# EAGLE board working (EAGLE 9.6.2), part 9 of 28 (continued)
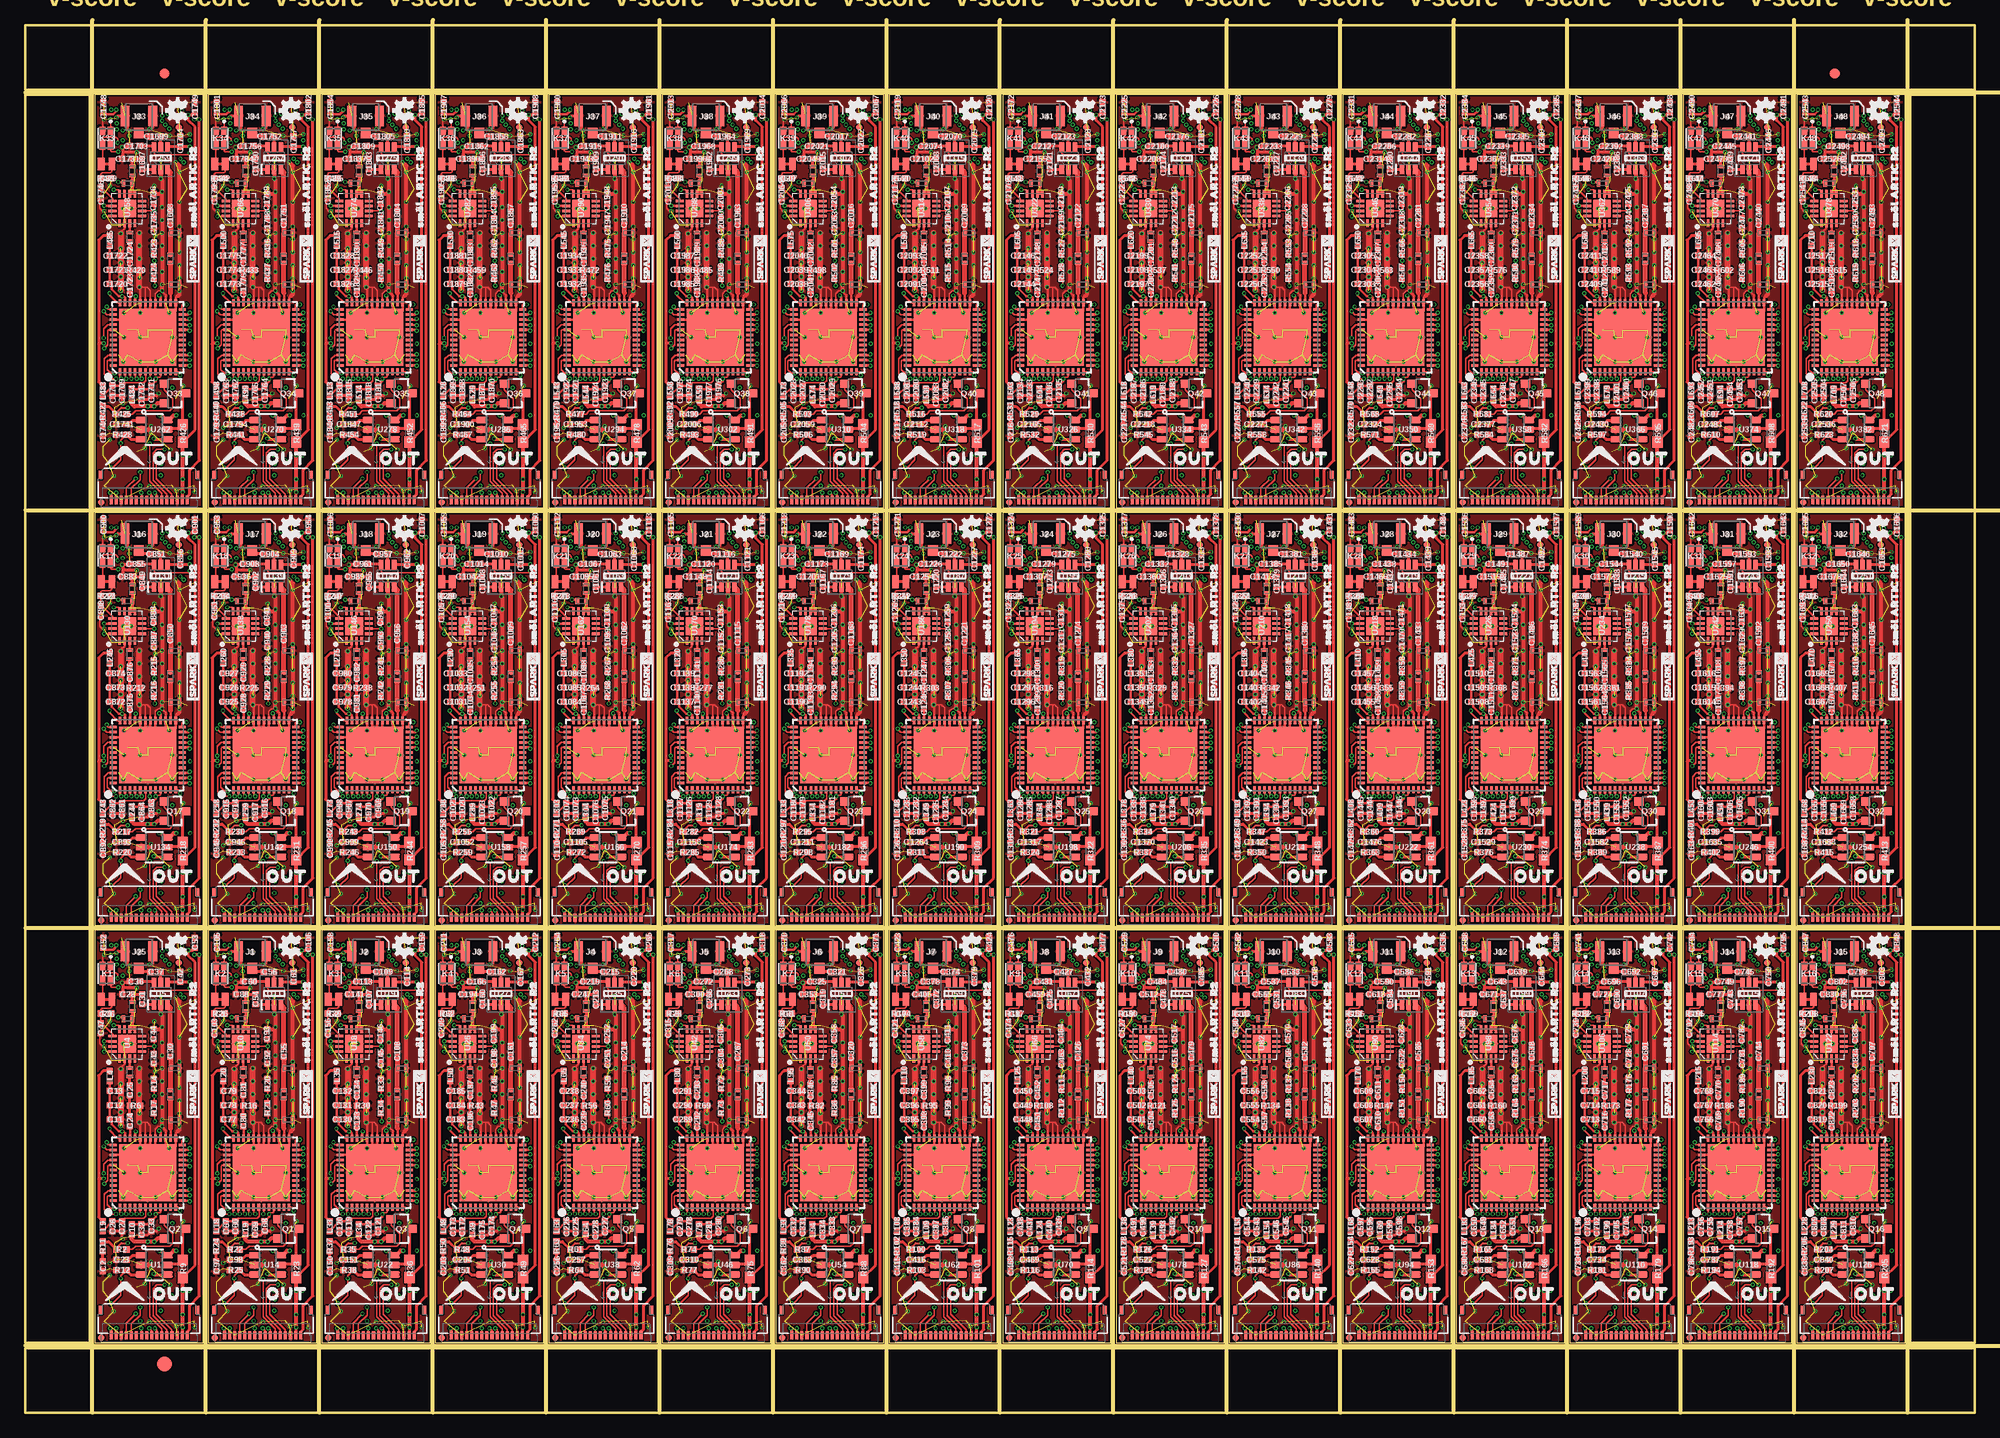
[diagram p0: board, top side]
## Nets (continued)
PA_PD8: R112.1 U65.7
PA_PD9: R125.1 U73.7
PA_PD10: R138.1 U81.7
PA_PD11: R151.1 U89.7
PA_PD12: R164.1 U97.7
PA_PD13: R177.1 U105.7
PA_PD14: R190.1 U113.7
PA_PD15: R203.1 U121.7
PA_PD16: R216.1 U129.7
PA_PD17: R229.1 U137.7
PA_PD18: R242.1 U145.7
PA_PD19: R255.1 U153.7
PA_PD20: R268.1 U161.7
PA_PD21: R281.1 U169.7
PA_PD22: R294.1 U177.7
PA_PD23: R307.1 U185.7
PA_PD24: R320.1 U193.7
PA_PD25: R333.1 U201.7
PA_PD26: R346.1 U209.7
PA_PD27: R359.1 U217.7
PA_PD28: R372.1 U225.7
PA_PD29: R385.1 U233.7
PA_PD30: R398.1 U241.7
PA_PD31: R411.1 U249.7
PA_PD32: R424.1 U257.7
PA_PD33: R437.1 U265.7
PA_PD34: R450.1 U273.7
PA_PD35: R463.1 U281.7
PA_PD36: R476.1 U289.7
PA_PD37: R489.1 U297.7
PA_PD38: R502.1 U305.7
PA_PD39: R515.1 U313.7
PA_PD40: R528.1 U321.7
PA_PD41: R541.1 U329.7
PA_PD42: R554.1 U337.7
PA_PD43: R567.1 U345.7
PA_PD44: R580.1 U353.7
PA_PD45: R593.1 U361.7
PA_PD46: R606.1 U369.7
PA_PD47: R619.1 U377.7
PD: C43.2 C44.1 R14.2 R17.2 U4.6
PD1: C92.2 C93.1 R20.2 R21.2 U10.6
PD2: C145.2 C146.1 R33.2 R34.2 U18.6
PD3: C198.2 C199.1 R46.2 R47.2 U26.6
PD4: C251.2 C252.1 R59.2 R60.2 U34.6
PD5: C304.2 C305.1 R72.2 R73.2 U42.6
PD6: C357.2 C358.1 R85.2 R86.2 U50.6
PD7: C410.2 C411.1 R98.2 R99.2 U58.6
PD8: C463.2 C464.1 R111.2 R112.2 U66.6
PD9: C516.2 C517.1 R124.2 R125.2 U74.6
PD10: C569.2 C570.1 R137.2 R138.2 U82.6
PD11: C622.2 C623.1 R150.2 R151.2 U90.6
PD12: C675.2 C676.1 R163.2 R164.2 U98.6
PD13: C728.2 C729.1 R176.2 R177.2 U106.6
PD14: C781.2 C782.1 R189.2 R190.2 U114.6
PD15: C834.2 C835.1 R202.2 R203.2 U122.6
PD16: C887.2 C888.1 R215.2 R216.2 U130.6
PD17: C940.2 C941.1 R228.2 R229.2 U138.6
PD18: C993.2 C994.1 R241.2 R242.2 U146.6
PD19: C1046.2 C1047.1 R254.2 R255.2 U154.6
PD20: C1099.2 C1100.1 R267.2 R268.2 U162.6
PD21: C1152.2 C1153.1 R280.2 R281.2 U170.6
PD22: C1205.2 C1206.1 R293.2 R294.2 U178.6
PD23: C1258.2 C1259.1 R306.2 R307.2 U186.6
PD24: C1311.2 C1312.1 R319.2 R320.2 U194.6
PD25: C1364.2 C1365.1 R332.2 R333.2 U202.6
PD26: C1417.2 C1418.1 R345.2 R346.2 U210.6
PD27: C1470.2 C1471.1 R358.2 R359.2 U218.6
PD28: C1523.2 C1524.1 R371.2 R372.2 U226.6
PD29: C1576.2 C1577.1 R384.2 R385.2 U234.6
PD30: C1629.2 C1630.1 R397.2 R398.2 U242.6
PD31: C1682.2 C1683.1 R410.2 R411.2 U250.6
PD32: C1735.2 C1736.1 R423.2 R424.2 U258.6
PD33: C1788.2 C1789.1 R436.2 R437.2 U266.6
PD34: C1841.2 C1842.1 R449.2 R450.2 U274.6
PD35: C1894.2 C1895.1 R462.2 R463.2 U282.6
PD36: C1947.2 C1948.1 R475.2 R476.2 U290.6
PD37: C2000.2 C2001.1 R488.2 R489.2 U298.6
PD38: C2053.2 C2054.1 R501.2 R502.2 U306.6
PD39: C2106.2 C2107.1 R514.2 R515.2 U314.6
PD40: C2159.2 C2160.1 R527.2 R528.2 U322.6
PD41: C2212.2 C2213.1 R540.2 R541.2 U330.6
PD42: C2265.2 C2266.1 R553.2 R554.2 U338.6
PD43: C2318.2 C2319.1 R566.2 R567.2 U346.6
PD44: C2371.2 C2372.1 R579.2 R580.2 U354.6
PD45: C2424.2 C2425.1 R592.2 R593.2 U362.6
PD46: C2477.2 C2478.1 R605.2 R606.2 U370.6
PD47: C2530.2 C2531.1 R618.2 R619.2 U378.6
PROC_PWR_EN: IN.1 OUT.1
PROC_PWR_EN1: IN1.1 OUT1.1
PROC_PWR_EN2: IN2.1 OUT2.1
PROC_PWR_EN3: IN3.1 OUT3.1
PROC_PWR_EN4: IN4.1 OUT4.1
PROC_PWR_EN5: IN5.1 OUT5.1
PROC_PWR_EN6: IN6.1 OUT6.1
PROC_PWR_EN7: IN7.1 OUT7.1
PROC_PWR_EN8: IN8.1 OUT8.1
PROC_PWR_EN9: IN9.1 OUT9.1
PROC_PWR_EN10: IN10.1 OUT10.1
PROC_PWR_EN11: IN11.1 OUT11.1
PROC_PWR_EN12: IN12.1 OUT12.1
PROC_PWR_EN13: IN13.1 OUT13.1
PROC_PWR_EN14: IN14.1 OUT14.1
PROC_PWR_EN15: IN15.1 OUT15.1
PROC_PWR_EN16: IN16.1 OUT16.1
PROC_PWR_EN17: IN17.1 OUT17.1
PROC_PWR_EN18: IN18.1 OUT18.1
PROC_PWR_EN19: IN19.1 OUT19.1
PROC_PWR_EN20: IN20.1 OUT20.1
PROC_PWR_EN21: IN21.1 OUT21.1
PROC_PWR_EN22: IN22.1 OUT22.1
PROC_PWR_EN23: IN23.1 OUT23.1
PROC_PWR_EN24: IN24.1 OUT24.1
PROC_PWR_EN25: IN25.1 OUT25.1
PROC_PWR_EN26: IN26.1 OUT26.1
PROC_PWR_EN27: IN27.1 OUT27.1
PROC_PWR_EN28: IN28.1 OUT28.1
PROC_PWR_EN29: IN29.1 OUT29.1
PROC_PWR_EN30: IN30.1 OUT30.1
PROC_PWR_EN31: IN31.1 OUT31.1
PROC_PWR_EN32: IN32.1 OUT32.1
PROC_PWR_EN33: IN33.1 OUT33.1
PROC_PWR_EN34: IN34.1 OUT34.1
PROC_PWR_EN35: IN35.1 OUT35.1
PROC_PWR_EN36: IN36.1 OUT36.1
PROC_PWR_EN37: IN37.1 OUT37.1
PROC_PWR_EN38: IN38.1 OUT38.1
PROC_PWR_EN39: IN39.1 OUT39.1
PROC_PWR_EN40: IN40.1 OUT40.1
PROC_PWR_EN41: IN41.1 OUT41.1
PROC_PWR_EN42: IN42.1 OUT42.1
PROC_PWR_EN43: IN43.1 OUT43.1
PROC_PWR_EN44: IN44.1 OUT44.1
PROC_PWR_EN45: IN45.1 OUT45.1
PROC_PWR_EN46: IN46.1 OUT46.1
PROC_PWR_EN47: IN47.1 OUT47.1
RESETB: R8.2 U3.1 U8.1
RESETB1: R10.2 U9.1 U16.1
RESETB2: R27.2 U17.1 U24.1
RESETB3: R40.2 U25.1 U32.1
RESETB4: R53.2 U33.1 U40.1
RESETB5: R66.2 U41.1 U48.1
RESETB6: R79.2 U49.1 U56.1
RESETB7: R92.2 U57.1 U64.1
RESETB8: R105.2 U65.1 U72.1
RESETB9: R118.2 U73.1 U80.1
RESETB10: R131.2 U81.1 U88.1
RESETB11: R144.2 U89.1 U96.1
RESETB12: R157.2 U97.1 U104.1
RESETB13: R170.2 U105.1 U112.1
RESETB14: R183.2 U113.1 U120.1
RESETB15: R196.2 U121.1 U128.1
RESETB16: R209.2 U129.1 U136.1
RESETB17: R222.2 U137.1 U144.1
RESETB18: R235.2 U145.1 U152.1
RESETB19: R248.2 U153.1 U160.1
RESETB20: R261.2 U161.1 U168.1
RESETB21: R274.2 U169.1 U176.1
RESETB22: R287.2 U177.1 U184.1
RESETB23: R300.2 U185.1 U192.1
RESETB24: R313.2 U193.1 U200.1
RESETB25: R326.2 U201.1 U208.1
RESETB26: R339.2 U209.1 U216.1
RESETB27: R352.2 U217.1 U224.1
RESETB28: R365.2 U225.1 U232.1
RESETB29: R378.2 U233.1 U240.1
RESETB30: R391.2 U241.1 U248.1
RESETB31: R404.2 U249.1 U256.1
RESETB32: R417.2 U257.1 U264.1
RESETB33: R430.2 U265.1 U272.1
RESETB34: R443.2 U273.1 U280.1
RESETB35: R456.2 U281.1 U288.1
RESETB36: R469.2 U289.1 U296.1
RESETB37: R482.2 U297.1 U304.1
RESETB38: R495.2 U305.1 U312.1
RESETB39: R508.2 U313.1 U320.1
RESETB40: R521.2 U321.1 U328.1
RESETB41: R534.2 U329.1 U336.1
RESETB42: R547.2 U337.1 U344.1
RESETB43: R560.2 U345.1 U352.1
RESETB44: R573.2 U353.1 U360.1
RESETB45: R586.2 U361.1 U368.1
RESETB46: R599.2 U369.1 U376.1
RESETB47: R612.2 U377.1 U384.1
RF_RX: C29.P$2 C30.2 L12.P$2
RF_RX1: C55.2 C87.P$2 L28.P$2
RF_RX2: C108.2 C140.P$2 L43.P$2
RF_RX3: C161.2 C193.P$2 L58.P$2
RF_RX4: C214.2 C246.P$2 L73.P$2
RF_RX5: C267.2 C299.P$2 L88.P$2
RF_RX6: C320.2 C352.P$2 L103.P$2
RF_RX7: C373.2 C405.P$2 L118.P$2
RF_RX8: C426.2 C458.P$2 L133.P$2
RF_RX9: C479.2 C511.P$2 L148.P$2
RF_RX10: C532.2 C564.P$2 L163.P$2
RF_RX11: C585.2 C617.P$2 L178.P$2
RF_RX12: C638.2 C670.P$2 L193.P$2
RF_RX13: C691.2 C723.P$2 L208.P$2
RF_RX14: C744.2 C776.P$2 L223.P$2
RF_RX15: C797.2 C829.P$2 L238.P$2
RF_RX16: C850.2 C882.P$2 L253.P$2
RF_RX17: C903.2 C935.P$2 L268.P$2
RF_RX18: C956.2 C988.P$2 L283.P$2
RF_RX19: C1009.2 C1041.P$2 L298.P$2
RF_RX20: C1062.2 C1094.P$2 L313.P$2
RF_RX21: C1115.2 C1147.P$2 L328.P$2
RF_RX22: C1168.2 C1200.P$2 L343.P$2
RF_RX23: C1221.2 C1253.P$2 L358.P$2
RF_RX24: C1274.2 C1306.P$2 L373.P$2
RF_RX25: C1327.2 C1359.P$2 L388.P$2
RF_RX26: C1380.2 C1412.P$2 L403.P$2
RF_RX27: C1433.2 C1465.P$2 L418.P$2
RF_RX28: C1486.2 C1518.P$2 L433.P$2
RF_RX29: C1539.2 C1571.P$2 L448.P$2
RF_RX30: C1592.2 C1624.P$2 L463.P$2
RF_RX31: C1645.2 C1677.P$2 L478.P$2
RF_RX32: C1698.2 C1730.P$2 L493.P$2
RF_RX33: C1751.2 C1783.P$2 L508.P$2
RF_RX34: C1804.2 C1836.P$2 L523.P$2
RF_RX35: C1857.2 C1889.P$2 L538.P$2
RF_RX36: C1910.2 C1942.P$2 L553.P$2
RF_RX37: C1963.2 C1995.P$2 L568.P$2
RF_RX38: C2016.2 C2048.P$2 L583.P$2
RF_RX39: C2069.2 C2101.P$2 L598.P$2
RF_RX40: C2122.2 C2154.P$2 L613.P$2
RF_RX41: C2175.2 C2207.P$2 L628.P$2
RF_RX42: C2228.2 C2260.P$2 L643.P$2
RF_RX43: C2281.2 C2313.P$2 L658.P$2
RF_RX44: C2334.2 C2366.P$2 L673.P$2
RF_RX45: C2387.2 C2419.P$2 L688.P$2
RF_RX46: C2440.2 C2472.P$2 L703.P$2
RF_RX47: C2493.2 C2525.P$2 L718.P$2
RF_TX: C28.2 C31.2 L8.P$2
RF_TX1: C54.2 C88.2 L26.P$2
RF_TX2: C107.2 C141.2 L41.P$2
RF_TX3: C160.2 C194.2 L56.P$2
RF_TX4: C213.2 C247.2 L71.P$2
RF_TX5: C266.2 C300.2 L86.P$2
RF_TX6: C319.2 C353.2 L101.P$2
RF_TX7: C372.2 C406.2 L116.P$2
RF_TX8: C425.2 C459.2 L131.P$2
RF_TX9: C478.2 C512.2 L146.P$2
RF_TX10: C531.2 C565.2 L161.P$2
RF_TX11: C584.2 C618.2 L176.P$2
RF_TX12: C637.2 C671.2 L191.P$2
RF_TX13: C690.2 C724.2 L206.P$2
RF_TX14: C743.2 C777.2 L221.P$2
RF_TX15: C796.2 C830.2 L236.P$2
RF_TX16: C849.2 C883.2 L251.P$2
RF_TX17: C902.2 C936.2 L266.P$2
RF_TX18: C955.2 C989.2 L281.P$2
RF_TX19: C1008.2 C1042.2 L296.P$2
RF_TX20: C1061.2 C1095.2 L311.P$2
RF_TX21: C1114.2 C1148.2 L326.P$2
RF_TX22: C1167.2 C1201.2 L341.P$2
RF_TX23: C1220.2 C1254.2 L356.P$2
RF_TX24: C1273.2 C1307.2 L371.P$2
RF_TX25: C1326.2 C1360.2 L386.P$2
RF_TX26: C1379.2 C1413.2 L401.P$2
RF_TX27: C1432.2 C1466.2 L416.P$2
RF_TX28: C1485.2 C1519.2 L431.P$2
RF_TX29: C1538.2 C1572.2 L446.P$2
RF_TX30: C1591.2 C1625.2 L461.P$2
RF_TX31: C1644.2 C1678.2 L476.P$2
RF_TX32: C1697.2 C1731.2 L491.P$2
RF_TX33: C1750.2 C1784.2 L506.P$2
RF_TX34: C1803.2 C1837.2 L521.P$2
RF_TX35: C1856.2 C1890.2 L536.P$2
RF_TX36: C1909.2 C1943.2 L551.P$2
RF_TX37: C1962.2 C1996.2 L566.P$2
RF_TX38: C2015.2 C2049.2 L581.P$2
RF_TX39: C2068.2 C2102.2 L596.P$2
RF_TX40: C2121.2 C2155.2 L611.P$2
RF_TX41: C2174.2 C2208.2 L626.P$2
RF_TX42: C2227.2 C2261.2 L641.P$2
RF_TX43: C2280.2 C2314.2 L656.P$2
RF_TX44: C2333.2 C2367.2 L671.P$2
RF_TX45: C2386.2 C2420.2 L686.P$2
RF_TX46: C2439.2 C2473.2 L701.P$2
RF_TX47: C2492.2 C2526.2 L716.P$2
RFG1: C82.2 K2.4 R18.1 U10.12
RFG2: C103.2 G1.1 R26.1 U10.13
RFG3: C135.2 K3.4 R31.1 U18.12
RFG4: C156.2 G2.1 R39.1 U18.13
RFG5: C188.2 K4.4 R44.1 U26.12
RFG6: C209.2 G3.1 R52.1 U26.13
RFG7: C241.2 K5.4 R57.1 U34.12
RFG8: C22.2 K1.4 R7.1 U4.12
RFG9: C262.2 G4.1 R65.1 U34.13
RFG10: C294.2 K6.4 R70.1 U42.12
RFG11: C315.2 G5.1 R78.1 U42.13
RFG12: C347.2 K7.4 R83.1 U50.12
RFG13: C368.2 G6.1 R91.1 U50.13
RFG14: C400.2 K8.4 R96.1 U58.12
RFG15: C421.2 G7.1 R104.1 U58.13
RFG16: C47.2 G16.1 R1.1 U4.13
RFG17: C453.2 K9.4 R109.1 U66.12
RFG18: C474.2 G8.1 R117.1 U66.13
RFG19: C506.2 K10.4 R122.1 U74.12
RFG20: C527.2 G9.1 R130.1 U74.13
RFG21: C559.2 K11.4 R135.1 U82.12
RFG22: C580.2 G10.1 R143.1 U82.13
RFG23: C612.2 K12.4 R148.1 U90.12
RFG24: C633.2 G11.1 R156.1 U90.13
RFG25: C665.2 K13.4 R161.1 U98.12
RFG26: C686.2 G12.1 R169.1 U98.13
RFG27: C718.2 K14.4 R174.1 U106.12
RFG28: C739.2 G13.1 R182.1 U106.13
RFG29: C771.2 K15.4 R187.1 U114.12
RFG30: C792.2 G14.1 R195.1 U114.13
RFG31: C824.2 K16.4 R200.1 U122.12
RFG32: C845.2 G15.1 R208.1 U122.13
RFG33: C877.2 K17.4 R213.1 U130.12
RFG34: C898.2 G17.1 R221.1 U130.13
RFG35: C930.2 K18.4 R226.1 U138.12
RFG36: C951.2 G18.1 R234.1 U138.13
RFG37: C983.2 K19.4 R239.1 U146.12
RFG38: C1004.2 G19.1 R247.1 U146.13
RFG39: C1036.2 K20.4 R252.1 U154.12
RFG40: C1057.2 G20.1 R260.1 U154.13
RFG41: C1089.2 K21.4 R265.1 U162.12
RFG42: C1110.2 G21.1 R273.1 U162.13
RFG43: C1142.2 K22.4 R278.1 U170.12
RFG44: C1163.2 G22.1 R286.1 U170.13
RFG45: C1195.2 K23.4 R291.1 U178.12
RFG46: C1216.2 G23.1 R299.1 U178.13
RFG47: C1248.2 K24.4 R304.1 U186.12
RFG48: C1269.2 G24.1 R312.1 U186.13
RFG49: C1301.2 K25.4 R317.1 U194.12
RFG50: C1322.2 G25.1 R325.1 U194.13
RFG51: C1354.2 K26.4 R330.1 U202.12
RFG52: C1375.2 G26.1 R338.1 U202.13
RFG53: C1407.2 K27.4 R343.1 U210.12
RFG54: C1428.2 G27.1 R351.1 U210.13
RFG55: C1460.2 K28.4 R356.1 U218.12
RFG56: C1481.2 G28.1 R364.1 U218.13
RFG57: C1513.2 K29.4 R369.1 U226.12
RFG58: C1534.2 G29.1 R377.1 U226.13
RFG59: C1566.2 K30.4 R382.1 U234.12
RFG60: C1587.2 G30.1 R390.1 U234.13
RFG61: C1619.2 K31.4 R395.1 U242.12
RFG62: C1640.2 G31.1 R403.1 U242.13
RFG63: C1672.2 K32.4 R408.1 U250.12
RFG64: C1693.2 G32.1 R416.1 U250.13
RFG65: C1725.2 K33.4 R421.1 U258.12
RFG66: C1746.2 G33.1 R429.1 U258.13
RFG67: C1778.2 K34.4 R434.1 U266.12
RFG68: C1799.2 G34.1 R442.1 U266.13
RFG69: C1831.2 K35.4 R447.1 U274.12
RFG70: C1852.2 G35.1 R455.1 U274.13
RFG71: C1884.2 K36.4 R460.1 U282.12
RFG72: C1905.2 G36.1 R468.1 U282.13
RFG73: C1937.2 K37.4 R473.1 U290.12
RFG74: C1958.2 G37.1 R481.1 U290.13
RFG75: C1990.2 K38.4 R486.1 U298.12
RFG76: C2011.2 G38.1 R494.1 U298.13
RFG77: C2043.2 K39.4 R499.1 U306.12
RFG78: C2064.2 G39.1 R507.1 U306.13
RFG79: C2096.2 K40.4 R512.1 U314.12
RFG80: C2117.2 G40.1 R520.1 U314.13
RFG81: C2149.2 K41.4 R525.1 U322.12
RFG82: C2170.2 G41.1 R533.1 U322.13
RFG83: C2202.2 K42.4 R538.1 U330.12
RFG84: C2223.2 G42.1 R546.1 U330.13
RFG85: C2255.2 K43.4 R551.1 U338.12
RFG86: C2276.2 G43.1 R559.1 U338.13
RFG87: C2308.2 K44.4 R564.1 U346.12
RFG88: C2329.2 G44.1 R572.1 U346.13
RFG89: C2361.2 K45.4 R577.1 U354.12
RFG90: C2382.2 G45.1 R585.1 U354.13
RFG91: C2414.2 K46.4 R590.1 U362.12
RFG92: C2435.2 G46.1 R598.1 U362.13
RFG93: C2467.2 K47.4 R603.1 U370.12
RFG94: C2488.2 G47.1 R611.1 U370.13
RFG95: C2520.2 K48.4 R616.1 U378.12
RFG96: C2541.2 G48.1 R624.1 U378.13
RXSW: C36.1 U3.22 U5.6
RXSW1: C60.1 U9.22 U11.6
RXSW2: C113.1 U17.22 U19.6
RXSW3: C166.1 U25.22 U27.6
RXSW4: C219.1 U33.22 U35.6
RXSW5: C272.1 U41.22 U43.6
RXSW6: C325.1 U49.22 U51.6
RXSW7: C378.1 U57.22 U59.6
RXSW8: C431.1 U65.22 U67.6
RXSW9: C484.1 U73.22 U75.6
RXSW10: C537.1 U81.22 U83.6
RXSW11: C590.1 U89.22 U91.6
RXSW12: C643.1 U97.22 U99.6
RXSW13: C696.1 U105.22 U107.6
RXSW14: C749.1 U113.22 U115.6
RXSW15: C802.1 U121.22 U123.6
RXSW16: C855.1 U129.22 U131.6
RXSW17: C908.1 U137.22 U139.6
RXSW18: C961.1 U145.22 U147.6
RXSW19: C1014.1 U153.22 U155.6
RXSW20: C1067.1 U161.22 U163.6
RXSW21: C1120.1 U169.22 U171.6
RXSW22: C1173.1 U177.22 U179.6
RXSW23: C1226.1 U185.22 U187.6
RXSW24: C1279.1 U193.22 U195.6
RXSW25: C1332.1 U201.22 U203.6
RXSW26: C1385.1 U209.22 U211.6
RXSW27: C1438.1 U217.22 U219.6
RXSW28: C1491.1 U225.22 U227.6
RXSW29: C1544.1 U233.22 U235.6
RXSW30: C1597.1 U241.22 U243.6
RXSW31: C1650.1 U249.22 U251.6
RXSW32: C1703.1 U257.22 U259.6
RXSW33: C1756.1 U265.22 U267.6
RXSW34: C1809.1 U273.22 U275.6
RXSW35: C1862.1 U281.22 U283.6
RXSW36: C1915.1 U289.22 U291.6
RXSW37: C1968.1 U297.22 U299.6
RXSW38: C2021.1 U305.22 U307.6
RXSW39: C2074.1 U313.22 U315.6
RXSW40: C2127.1 U321.22 U323.6
RXSW41: C2180.1 U329.22 U331.6
RXSW42: C2233.1 U337.22 U339.6
RXSW43: C2286.1 U345.22 U347.6
RXSW44: C2339.1 U353.22 U355.6
RXSW45: C2392.1 U361.22 U363.6
RXSW46: C2445.1 U369.22 U371.6
RXSW47: C2498.1 U377.22 U379.6
SCL: IN.13 OUT.13 U8.6
SCL1: IN1.13 OUT1.13 U16.6
SCL2: IN2.13 OUT2.13 U24.6
SCL3: IN3.13 OUT3.13 U32.6
SCL4: IN4.13 OUT4.13 U40.6
SCL5: IN5.13 OUT5.13 U48.6
SCL6: IN6.13 OUT6.13 U56.6
SCL7: IN7.13 OUT7.13 U64.6
SCL8: IN8.13 OUT8.13 U72.6
SCL9: IN9.13 OUT9.13 U80.6
SCL10: IN10.13 OUT10.13 U88.6
SCL11: IN11.13 OUT11.13 U96.6
SCL12: IN12.13 OUT12.13 U104.6
SCL13: IN13.13 OUT13.13 U112.6
SCL14: IN14.13 OUT14.13 U120.6
SCL15: IN15.13 OUT15.13 U128.6
SCL16: IN16.13 OUT16.13 U136.6
SCL17: IN17.13 OUT17.13 U144.6
SCL18: IN18.13 OUT18.13 U152.6
SCL19: IN19.13 OUT19.13 U160.6
SCL20: IN20.13 OUT20.13 U168.6
SCL21: IN21.13 OUT21.13 U176.6
SCL22: IN22.13 OUT22.13 U184.6
SCL23: IN23.13 OUT23.13 U192.6
SCL24: IN24.13 OUT24.13 U200.6
SCL25: IN25.13 OUT25.13 U208.6
SCL26: IN26.13 OUT26.13 U216.6
SCL27: IN27.13 OUT27.13 U224.6
SCL28: IN28.13 OUT28.13 U232.6
SCL29: IN29.13 OUT29.13 U240.6
SCL30: IN30.13 OUT30.13 U248.6
SCL31: IN31.13 OUT31.13 U256.6
SCL32: IN32.13 OUT32.13 U264.6
SCL33: IN33.13 OUT33.13 U272.6
SCL34: IN34.13 OUT34.13 U280.6
SCL35: IN35.13 OUT35.13 U288.6
SCL36: IN36.13 OUT36.13 U296.6
SCL37: IN37.13 OUT37.13 U304.6
SCL38: IN38.13 OUT38.13 U312.6
SCL39: IN39.13 OUT39.13 U320.6
SCL40: IN40.13 OUT40.13 U328.6
SCL41: IN41.13 OUT41.13 U336.6
SCL42: IN42.13 OUT42.13 U344.6
SCL43: IN43.13 OUT43.13 U352.6
SCL44: IN44.13 OUT44.13 U360.6
SCL45: IN45.13 OUT45.13 U368.6
SCL46: IN46.13 OUT46.13 U376.6
SCL47: IN47.13 OUT47.13 U384.6
SCLK: IN.4 OUT.4 U3.3
SCLK1: IN1.4 OUT1.4 U9.3
SCLK2: IN2.4 OUT2.4 U17.3
SCLK3: IN3.4 OUT3.4 U25.3
SCLK4: IN4.4 OUT4.4 U33.3
SCLK5: IN5.4 OUT5.4 U41.3
SCLK6: IN6.4 OUT6.4 U49.3
SCLK7: IN7.4 OUT7.4 U57.3
SCLK8: IN8.4 OUT8.4 U65.3
SCLK9: IN9.4 OUT9.4 U73.3
SCLK10: IN10.4 OUT10.4 U81.3
SCLK11: IN11.4 OUT11.4 U89.3
SCLK12: IN12.4 OUT12.4 U97.3
SCLK13: IN13.4 OUT13.4 U105.3
SCLK14: IN14.4 OUT14.4 U113.3
SCLK15: IN15.4 OUT15.4 U121.3
SCLK16: IN16.4 OUT16.4 U129.3
SCLK17: IN17.4 OUT17.4 U137.3
SCLK18: IN18.4 OUT18.4 U145.3
SCLK19: IN19.4 OUT19.4 U153.3
SCLK20: IN20.4 OUT20.4 U161.3
SCLK21: IN21.4 OUT21.4 U169.3
SCLK22: IN22.4 OUT22.4 U177.3
SCLK23: IN23.4 OUT23.4 U185.3
SCLK24: IN24.4 OUT24.4 U193.3
SCLK25: IN25.4 OUT25.4 U201.3
SCLK26: IN26.4 OUT26.4 U209.3
SCLK27: IN27.4 OUT27.4 U217.3
SCLK28: IN28.4 OUT28.4 U225.3
SCLK29: IN29.4 OUT29.4 U233.3
SCLK30: IN30.4 OUT30.4 U241.3
SCLK31: IN31.4 OUT31.4 U249.3
SCLK32: IN32.4 OUT32.4 U257.3
SCLK33: IN33.4 OUT33.4 U265.3
SCLK34: IN34.4 OUT34.4 U273.3
SCLK35: IN35.4 OUT35.4 U281.3
SCLK36: IN36.4 OUT36.4 U289.3
SCLK37: IN37.4 OUT37.4 U297.3
SCLK38: IN38.4 OUT38.4 U305.3
SCLK39: IN39.4 OUT39.4 U313.3
SCLK40: IN40.4 OUT40.4 U321.3
SCLK41: IN41.4 OUT41.4 U329.3
SCLK42: IN42.4 OUT42.4 U337.3
SCLK43: IN43.4 OUT43.4 U345.3
SCLK44: IN44.4 OUT44.4 U353.3
SCLK45: IN45.4 OUT45.4 U361.3
SCLK46: IN46.4 OUT46.4 U369.3
SCLK47: IN47.4 OUT47.4 U377.3
SDA: IN.12 OUT.12 U8.7
SDA1: IN1.12 OUT1.12 U16.7
SDA2: IN2.12 OUT2.12 U24.7
SDA3: IN3.12 OUT3.12 U32.7
SDA4: IN4.12 OUT4.12 U40.7
SDA5: IN5.12 OUT5.12 U48.7
SDA6: IN6.12 OUT6.12 U56.7
SDA7: IN7.12 OUT7.12 U64.7
SDA8: IN8.12 OUT8.12 U72.7
SDA9: IN9.12 OUT9.12 U80.7
SDA10: IN10.12 OUT10.12 U88.7
SDA11: IN11.12 OUT11.12 U96.7
SDA12: IN12.12 OUT12.12 U104.7
SDA13: IN13.12 OUT13.12 U112.7
SDA14: IN14.12 OUT14.12 U120.7
SDA15: IN15.12 OUT15.12 U128.7
SDA16: IN16.12 OUT16.12 U136.7
SDA17: IN17.12 OUT17.12 U144.7
SDA18: IN18.12 OUT18.12 U152.7
SDA19: IN19.12 OUT19.12 U160.7
SDA20: IN20.12 OUT20.12 U168.7
SDA21: IN21.12 OUT21.12 U176.7
SDA22: IN22.12 OUT22.12 U184.7
SDA23: IN23.12 OUT23.12 U192.7
SDA24: IN24.12 OUT24.12 U200.7
SDA25: IN25.12 OUT25.12 U208.7
SDA26: IN26.12 OUT26.12 U216.7
SDA27: IN27.12 OUT27.12 U224.7
SDA28: IN28.12 OUT28.12 U232.7
SDA29: IN29.12 OUT29.12 U240.7
SDA30: IN30.12 OUT30.12 U248.7
SDA31: IN31.12 OUT31.12 U256.7
SDA32: IN32.12 OUT32.12 U264.7
SDA33: IN33.12 OUT33.12 U272.7
SDA34: IN34.12 OUT34.12 U280.7
SDA35: IN35.12 OUT35.12 U288.7
SDA36: IN36.12 OUT36.12 U296.7
SDA37: IN37.12 OUT37.12 U304.7
SDA38: IN38.12 OUT38.12 U312.7
SDA39: IN39.12 OUT39.12 U320.7
SDA40: IN40.12 OUT40.12 U328.7
SDA41: IN41.12 OUT41.12 U336.7
SDA42: IN42.12 OUT42.12 U344.7
SDA43: IN43.12 OUT43.12 U352.7
SDA44: IN44.12 OUT44.12 U360.7
SDA45: IN45.12 OUT45.12 U368.7
SDA46: IN46.12 OUT46.12 U376.7
SDA47: IN47.12 OUT47.12 U384.7
TXSW: C42.1 U3.21 U5.4
TXSW1: C61.1 U9.21 U11.4
TXSW2: C114.1 U17.21 U19.4
TXSW3: C167.1 U25.21 U27.4
TXSW4: C220.1 U33.21 U35.4
TXSW5: C273.1 U41.21 U43.4
TXSW6: C326.1 U49.21 U51.4
TXSW7: C379.1 U57.21 U59.4
TXSW8: C432.1 U65.21 U67.4
TXSW9: C485.1 U73.21 U75.4
TXSW10: C538.1 U81.21 U83.4
TXSW11: C591.1 U89.21 U91.4
TXSW12: C644.1 U97.21 U99.4
TXSW13: C697.1 U105.21 U107.4
TXSW14: C750.1 U113.21 U115.4
TXSW15: C803.1 U121.21 U123.4
TXSW16: C856.1 U129.21 U131.4
TXSW17: C909.1 U137.21 U139.4
TXSW18: C962.1 U145.21 U147.4
TXSW19: C1015.1 U153.21 U155.4
TXSW20: C1068.1 U161.21 U163.4
TXSW21: C1121.1 U169.21 U171.4
TXSW22: C1174.1 U177.21 U179.4
TXSW23: C1227.1 U185.21 U187.4
TXSW24: C1280.1 U193.21 U195.4
TXSW25: C1333.1 U201.21 U203.4
TXSW26: C1386.1 U209.21 U211.4
TXSW27: C1439.1 U217.21 U219.4
TXSW28: C1492.1 U225.21 U227.4
TXSW29: C1545.1 U233.21 U235.4
TXSW30: C1598.1 U241.21 U243.4
TXSW31: C1651.1 U249.21 U251.4
TXSW32: C1704.1 U257.21 U259.4
TXSW33: C1757.1 U265.21 U267.4
TXSW34: C1810.1 U273.21 U275.4
TXSW35: C1863.1 U281.21 U283.4
TXSW36: C1916.1 U289.21 U291.4
TXSW37: C1969.1 U297.21 U299.4
TXSW38: C2022.1 U305.21 U307.4
TXSW39: C2075.1 U313.21 U315.4
TXSW40: C2128.1 U321.21 U323.4
TXSW41: C2181.1 U329.21 U331.4
TXSW42: C2234.1 U337.21 U339.4
TXSW43: C2287.1 U345.21 U347.4
TXSW44: C2340.1 U353.21 U355.4
TXSW45: C2393.1 U361.21 U363.4
TXSW46: C2446.1 U369.21 U371.4
TXSW47: C2499.1 U377.21 U379.4
V_USB: IN.16 OUT.16
V_USB1: IN1.16 OUT1.16
V_USB2: IN2.16 OUT2.16
V_USB3: IN3.16 OUT3.16
V_USB4: IN4.16 OUT4.16
V_USB5: IN5.16 OUT5.16
V_USB6: IN6.16 OUT6.16
V_USB7: IN7.16 OUT7.16
V_USB8: IN8.16 OUT8.16
V_USB9: IN9.16 OUT9.16
V_USB10: IN10.16 OUT10.16
V_USB11: IN11.16 OUT11.16
V_USB12: IN12.16 OUT12.16
V_USB13: IN13.16 OUT13.16
V_USB14: IN14.16 OUT14.16
V_USB15: IN15.16 OUT15.16
V_USB16: IN16.16 OUT16.16
V_USB17: IN17.16 OUT17.16
V_USB18: IN18.16 OUT18.16
V_USB19: IN19.16 OUT19.16
V_USB20: IN20.16 OUT20.16
V_USB21: IN21.16 OUT21.16
V_USB22: IN22.16 OUT22.16
V_USB23: IN23.16 OUT23.16
V_USB24: IN24.16 OUT24.16
V_USB25: IN25.16 OUT25.16
V_USB26: IN26.16 OUT26.16
V_USB27: IN27.16 OUT27.16
V_USB28: IN28.16 OUT28.16
V_USB29: IN29.16 OUT29.16
V_USB30: IN30.16 OUT30.16
V_USB31: IN31.16 OUT31.16
V_USB32: IN32.16 OUT32.16
V_USB33: IN33.16 OUT33.16
V_USB34: IN34.16 OUT34.16
V_USB35: IN35.16 OUT35.16
V_USB36: IN36.16 OUT36.16
V_USB37: IN37.16 OUT37.16
V_USB38: IN38.16 OUT38.16
V_USB39: IN39.16 OUT39.16
V_USB40: IN40.16 OUT40.16
V_USB41: IN41.16 OUT41.16
V_USB42: IN42.16 OUT42.16
V_USB43: IN43.16 OUT43.16
V_USB44: IN44.16 OUT44.16
V_USB45: IN45.16 OUT45.16
V_USB46: IN46.16 OUT46.16
V_USB47: IN47.16 OUT47.16
VDD: C3.1 C14.1 C16.1 C19.1 C45.1 C46.1 C49.1 C51.1 L1.2 L3.2 L6.P$1 L10.2 L15.2 Q2.2 R3.2 U2.1 U2.3 U6.1 U6.3 U8.8 VDD.1
VDD1: C58.1 C89.1 C90.1 C91.1 C99.1 C100.1 C101.1 C104.1 L17.2 L19.2 L21.2 L25.P$1 L30.2 Q1.2 R19.2 U12.1 U12.3 U13.1 U13.3 U16.8 VDD1.1
VDD2: C111.1 C142.1 C143.1 C144.1 C152.1 C153.1 C154.1 C157.1 L32.2 L34.2 L36.2 L40.P$1 L45.2 Q3.2 R32.2 U20.1 U20.3 U21.1 U21.3 U24.8 VDD2.1
VDD3: C164.1 C195.1 C196.1 C197.1 C205.1 C206.1 C207.1 C210.1 L47.2 L49.2 L51.2 L55.P$1 L60.2 Q4.2 R45.2 U28.1 U28.3 U29.1 U29.3 U32.8 VDD3.1
VDD4: C217.1 C248.1 C249.1 C250.1 C258.1 C259.1 C260.1 C263.1 L62.2 L64.2 L66.2 L70.P$1 L75.2 Q5.2 R58.2 U36.1 U36.3 U37.1 U37.3 U40.8 VDD4.1
VDD5: C270.1 C301.1 C302.1 C303.1 C311.1 C312.1 C313.1 C316.1 L77.2 L79.2 L81.2 L85.P$1 L90.2 Q6.2 R71.2 U44.1 U44.3 U45.1 U45.3 U48.8 VDD5.1
VDD6: C323.1 C354.1 C355.1 C356.1 C364.1 C365.1 C366.1 C369.1 L92.2 L94.2 L96.2 L100.P$1 L105.2 Q7.2 R84.2 U52.1 U52.3 U53.1 U53.3 U56.8 VDD6.1
VDD7: C376.1 C407.1 C408.1 C409.1 C417.1 C418.1 C419.1 C422.1 L107.2 L109.2 L111.2 L115.P$1 L120.2 Q8.2 R97.2 U60.1 U60.3 U61.1 U61.3 U64.8 VDD7.1
VDD8: C429.1 C460.1 C461.1 C462.1 C470.1 C471.1 C472.1 C475.1 L122.2 L124.2 L126.2 L130.P$1 L135.2 Q9.2 R110.2 U68.1 U68.3 U69.1 U69.3 U72.8 VDD8.1
VDD9: C482.1 C513.1 C514.1 C515.1 C523.1 C524.1 C525.1 C528.1 L137.2 L139.2 L141.2 L145.P$1 L150.2 Q10.2 R123.2 U76.1 U76.3 U77.1 U77.3 U80.8 VDD9.1
VDD10: C535.1 C566.1 C567.1 C568.1 C576.1 C577.1 C578.1 C581.1 L152.2 L154.2 L156.2 L160.P$1 L165.2 Q11.2 R136.2 U84.1 U84.3 U85.1 U85.3 U88.8 VDD10.1
VDD11: C588.1 C619.1 C620.1 C621.1 C629.1 C630.1 C631.1 C634.1 L167.2 L169.2 L171.2 L175.P$1 L180.2 Q12.2 R149.2 U92.1 U92.3 U93.1 U93.3 U96.8 VDD11.1
VDD12: C641.1 C672.1 C673.1 C674.1 C682.1 C683.1 C684.1 C687.1 L182.2 L184.2 L186.2 L190.P$1 L195.2 Q13.2 R162.2 U100.1 U100.3 U101.1 U101.3 U104.8 VDD12.1
VDD13: C694.1 C725.1 C726.1 C727.1 C735.1 C736.1 C737.1 C740.1 L197.2 L199.2 L201.2 L205.P$1 L210.2 Q14.2 R175.2 U108.1 U108.3 U109.1 U109.3 U112.8 VDD13.1
VDD14: C747.1 C778.1 C779.1 C780.1 C788.1 C789.1 C790.1 C793.1 L212.2 L214.2 L216.2 L220.P$1 L225.2 Q15.2 R188.2 U116.1 U116.3 U117.1 U117.3 U120.8 VDD14.1
VDD15: C800.1 C831.1 C832.1 C833.1 C841.1 C842.1 C843.1 C846.1 L227.2 L229.2 L231.2 L235.P$1 L240.2 Q16.2 R201.2 U124.1 U124.3 U125.1 U125.3 U128.8 VDD15.1
VDD16: C853.1 C884.1 C885.1 C886.1 C894.1 C895.1 C896.1 C899.1 L242.2 L244.2 L246.2 L250.P$1 L255.2 Q17.2 R214.2 U132.1 U132.3 U133.1 U133.3 U136.8 VDD16.1
VDD17: C906.1 C937.1 C938.1 C939.1 C947.1 C948.1 C949.1 C952.1 L257.2 L259.2 L261.2 L265.P$1 L270.2 Q18.2 R227.2 U140.1 U140.3 U141.1 U141.3 U144.8 VDD17.1
VDD18: C959.1 C990.1 C991.1 C992.1 C1000.1 C1001.1 C1002.1 C1005.1 L272.2 L274.2 L276.2 L280.P$1 L285.2 Q19.2 R240.2 U148.1 U148.3 U149.1 U149.3 U152.8 VDD18.1
VDD19: C1012.1 C1043.1 C1044.1 C1045.1 C1053.1 C1054.1 C1055.1 C1058.1 L287.2 L289.2 L291.2 L295.P$1 L300.2 Q20.2 R253.2 U156.1 U156.3 U157.1 U157.3 U160.8 VDD19.1
VDD20: C1065.1 C1096.1 C1097.1 C1098.1 C1106.1 C1107.1 C1108.1 C1111.1 L302.2 L304.2 L306.2 L310.P$1 L315.2 Q21.2 R266.2 U164.1 U164.3 U165.1 U165.3 U168.8 VDD20.1
VDD21: C1118.1 C1149.1 C1150.1 C1151.1 C1159.1 C1160.1 C1161.1 C1164.1 L317.2 L319.2 L321.2 L325.P$1 L330.2 Q22.2 R279.2 U172.1 U172.3 U173.1 U173.3 U176.8 VDD21.1
VDD22: C1171.1 C1202.1 C1203.1 C1204.1 C1212.1 C1213.1 C1214.1 C1217.1 L332.2 L334.2 L336.2 L340.P$1 L345.2 Q23.2 R292.2 U180.1 U180.3 U181.1 U181.3 U184.8 VDD22.1
VDD23: C1224.1 C1255.1 C1256.1 C1257.1 C1265.1 C1266.1 C1267.1 C1270.1 L347.2 L349.2 L351.2 L355.P$1 L360.2 Q24.2 R305.2 U188.1 U188.3 U189.1 U189.3 U192.8 VDD23.1
VDD24: C1277.1 C1308.1 C1309.1 C1310.1 C1318.1 C1319.1 C1320.1 C1323.1 L362.2 L364.2 L366.2 L370.P$1 L375.2 Q25.2 R318.2 U196.1 U196.3 U197.1 U197.3 U200.8 VDD24.1
VDD25: C1330.1 C1361.1 C1362.1 C1363.1 C1371.1 C1372.1 C1373.1 C1376.1 L377.2 L379.2 L381.2 L385.P$1 L390.2 Q26.2 R331.2 U204.1 U204.3 U205.1 U205.3 U208.8 VDD25.1
VDD26: C1383.1 C1414.1 C1415.1 C1416.1 C1424.1 C1425.1 C1426.1 C1429.1 L392.2 L394.2 L396.2 L400.P$1 L405.2 Q27.2 R344.2 U212.1 U212.3 U213.1 U213.3 U216.8 VDD26.1